# Altium PCB PCB.PcbDoc (part 3 of 3) (continued)
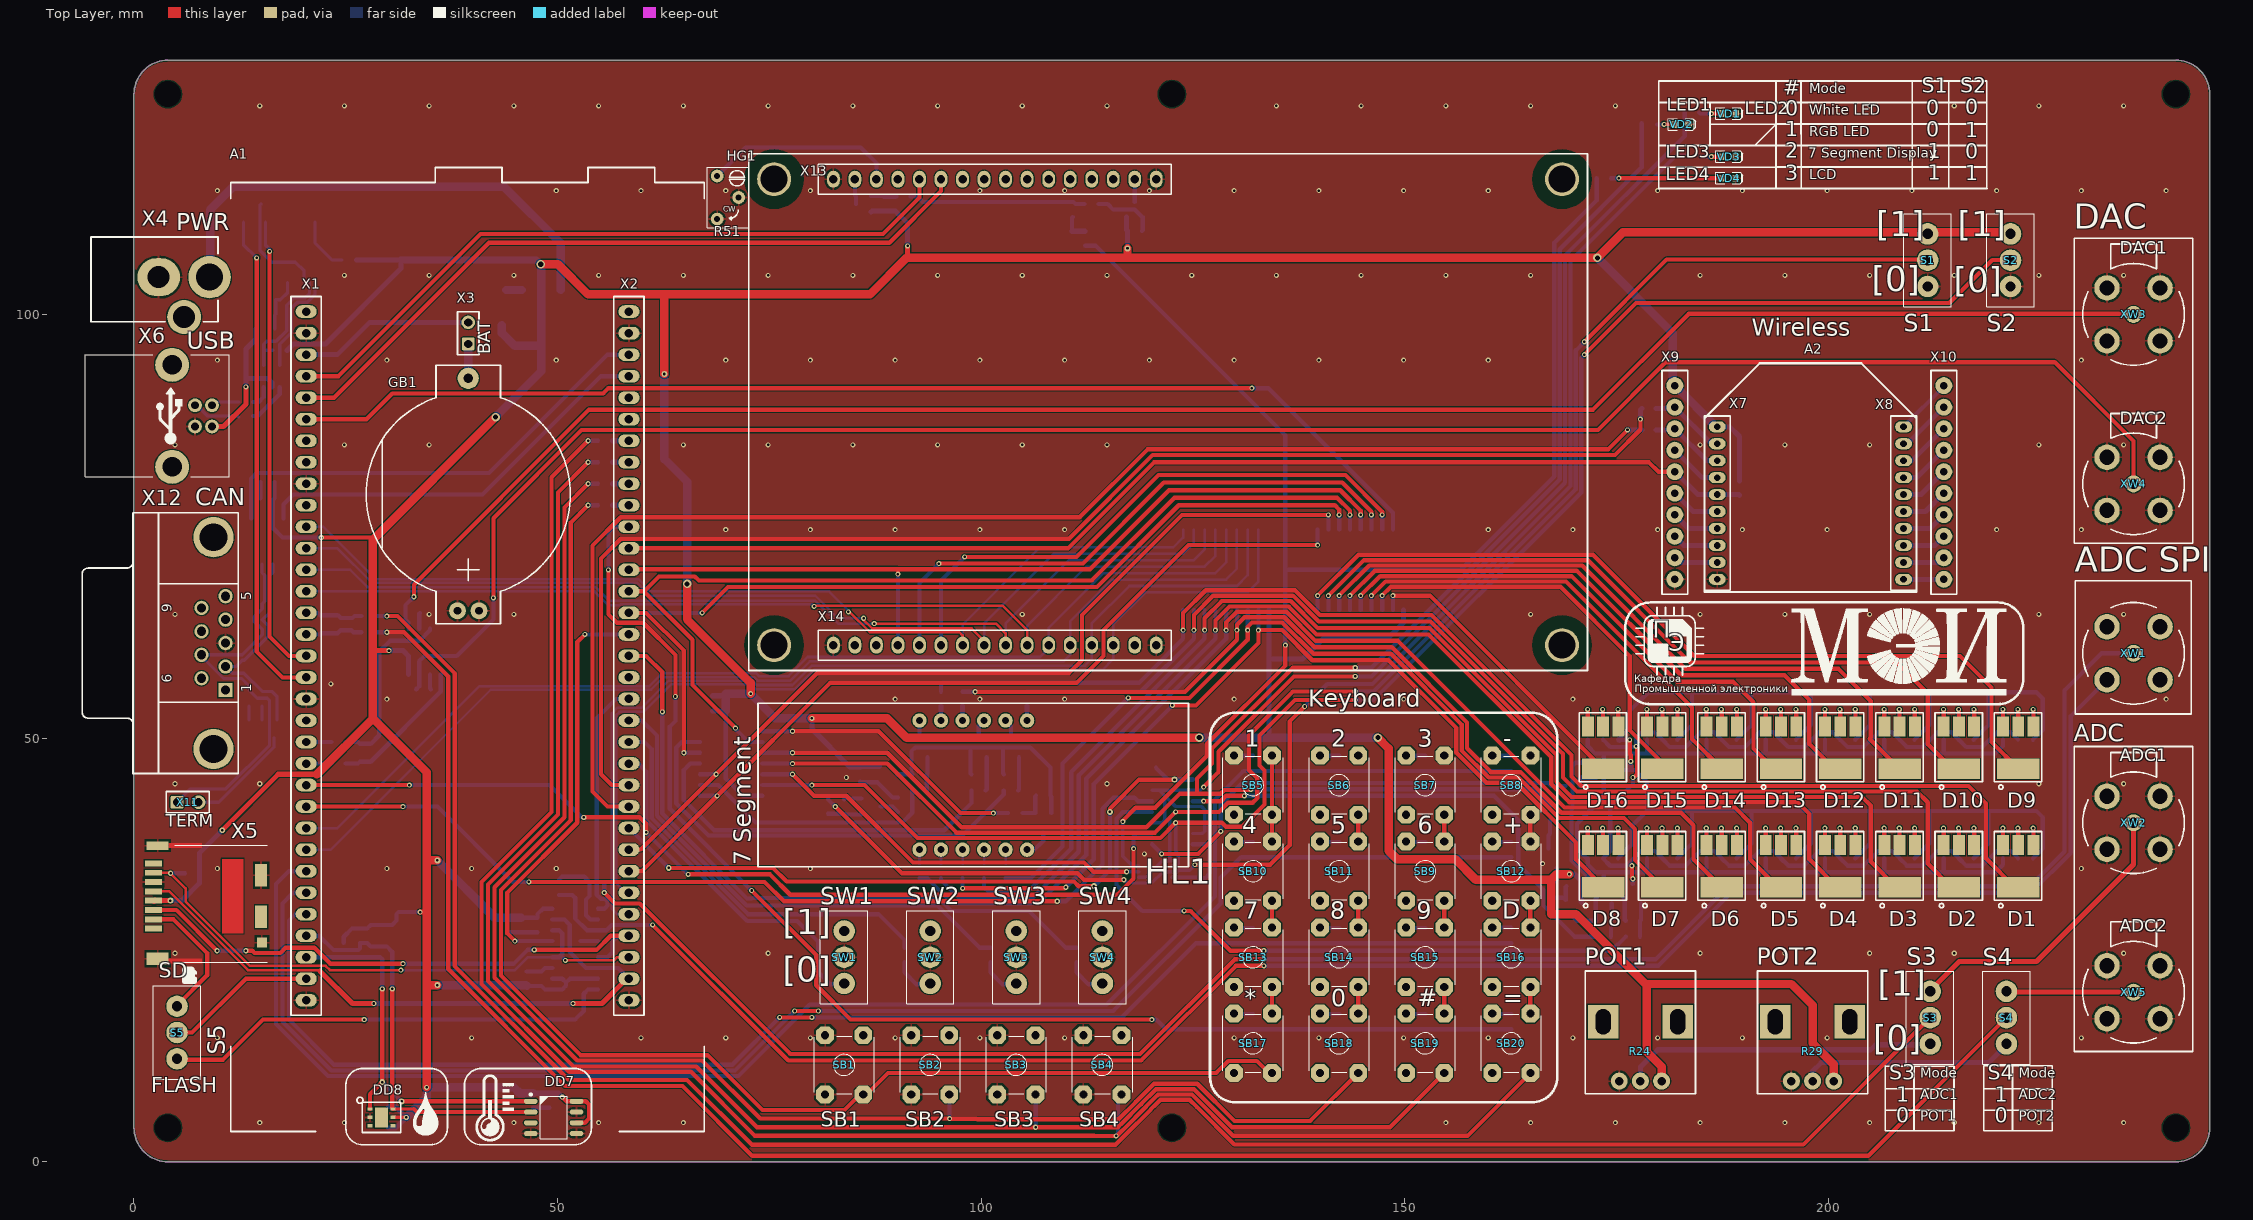
[diagram p0: Top Layer view]
## Nets (pads, with @x,y where several pads share a name; then routed paths per layer and width w, separated by ;. In a path a pad name is that pad's centre, name@x,y a point inside that pad or via, vN(x,y) a via of type N, cw(c..) or ccw(c..) an arc to the next point about the centre after c; other vN are vias at no path point) (continued)
  Bottom Layer w0.5: R118.2@173.37,49.799 R118.2@173.37,49.81 174.244,48.936 177.206,48.936 v1(177.292,49.022) 177.292,50.038 177.914,50.66 179.52,50.66 R117.2@180.37,49.81 ; v1(176.784,34.925) 176.53,35.179 176.403,35.179 ; VT11.3@176.905,32.763 v1(176.905,33.395) ; v1(176.911,45.339) 176.911,44.577 174.244,41.91 174.244,38.051 174.245,38.05 174.245,36.685 R94.2@173.37,35.81 173.37,35.799 174.244,34.925 176.149,34.925 176.403,35.179 ; R93.2@180.37,35.821 R93.2@180.37,35.81 ; R117.2@180.37,49.821 R117.2@180.37,49.81 ; R79.2@222.37,35.821 221.52,36.671 219.884,36.671 218.149,34.936 216.244,34.936 R80.2@215.37,35.81 215.37,35.821 214.52,36.671 212.884,36.671 211.149,34.936 209.244,34.936 R81.2@208.37,35.81 208.37,35.821 207.52,36.671 205.884,36.671 204.149,34.936 202.244,34.936 R82.2@201.37,35.81 201.37,35.821 200.52,36.671 198.884,36.671 197.149,34.936 195.244,34.936 R91.2@194.37,35.81 194.37,35.821 193.52,36.671 191.884,36.671 190.149,34.936 188.244,34.936 R92.2@187.37,35.81 187.37,35.821 186.52,36.671 184.884,36.671 183.149,34.936 181.244,34.936 R93.2@180.37,35.81 ; R103.2@222.37,49.821 221.52,50.671 219.884,50.671 218.149,48.936 216.244,48.936 R104.2@215.37,49.81 215.37,49.821 214.52,50.671 212.884,50.671 211.149,48.936 209.244,48.936 R105.2@208.37,49.81 208.37,49.821 207.52,50.671 205.884,50.671 204.149,48.936 202.244,48.936 R106.2@201.37,49.81 201.37,49.821 200.52,50.671 198.884,50.671 197.149,48.936 195.244,48.936 R115.2@194.37,49.81 194.37,49.821 193.52,50.671 191.884,50.671 190.149,48.936 188.244,48.936 R116.2@187.37,49.81 187.37,49.821 186.52,50.671 184.884,50.671 183.149,48.936 181.244,48.936 R117.2@180.37,49.81 ; 176.403,35.179 177.884,36.66 179.52,36.66 R93.2@180.37,35.81
NetR83_2: R83.2 R84.2 R85.2 R86.2 R95.2 R96.2 R97.2 R98.2 R107.2 R108.2 R109.2 R110.2 R119.2 R120.2 R121.2 R122.2 VT12.3 | length 137.7
  Bottom Layer w0.5: R122.2@171.592,49.81 171.592,49.037 172.456,48.173 178.552,48.173 178.562,48.163 ; VT12.3@173.476,32.763 173.476,34.157 ; 173.482,48.163 173.482,43.053 170.307,39.878 170.307,36.957 171.454,35.81 R98.2@171.592,35.81 171.592,35.037 172.466,34.163 175.768,34.163 ; 175.762,34.157 175.768,34.163 ; R97.2@178.592,35.81 178.592,34.193 178.562,34.163 ; R121.2@178.592,49.81 178.592,48.193 178.562,48.163 ; 185.592,34.193 R96.2@185.592,35.81 ; 185.592,48.193 R120.2@185.592,49.81 ; 192.592,34.193 R95.2@192.592,35.81 ; 192.592,48.193 R119.2@192.592,49.81 ; 199.592,34.193 R86.2@199.592,35.81 ; 199.592,48.193 R110.2@199.592,49.81 ; 206.592,34.193 R85.2@206.592,35.81 ; 206.592,48.193 R109.2@206.592,49.81 ; 213.592,34.193 R84.2@213.592,35.81 ; 213.592,48.193 R108.2@213.592,49.81 ; R83.2@220.592,35.81 220.592,35.045 219.71,34.163 178.562,34.163 ; R107.2@220.592,49.81 220.592,49.045 219.71,48.163 178.562,48.163 ; 175.768,34.163 178.562,34.163
NetS3_1: S3.1 XW2.Sig | length 35.1
  Top Layer w0.6: S3.1@212,20.2 215.422,23.622 224.536,23.622 236,35.086 XW2.Sig@236,40
NetS4_1: S4.1 XW5.Sig | length 15.1
  Top Layer w0.6: S4.1@221,20.2 221.2,20 XW5.Sig@236,20
NetSB5_2: SB5.2 VD6.K | length 2.3
  Bottom Layer w0.5: SB5.2@129.83,47.95 129.879,47.901 VD6.K@132.08,47.901
NetSB6_2: SB6.2 VD7.K | length 2.3
  Bottom Layer w0.5: SB6.2@139.99,47.95 140.039,47.901 VD7.K@142.24,47.901
NetSB7_2: SB7.2 VD8.K | length 2.3
  Bottom Layer w0.5: SB7.2@150.15,47.95 150.199,47.901 VD8.K@152.4,47.901
NetSB8_2: SB8.2 VD9.K | length 2.3
  Bottom Layer w0.5: SB8.2@160.31,47.95 160.359,47.901 VD9.K@162.56,47.901
NetSB9_2: SB9.2 VD12.K | length 2.3
  Bottom Layer w0.5: SB9.2@150.15,37.79 150.199,37.741 VD12.K@152.4,37.741
NetSB10_2: SB10.2 VD10.K | length 2.3
  Bottom Layer w0.5: SB10.2@129.83,37.79 129.879,37.741 VD10.K@132.08,37.741
NetSB11_2: SB11.2 VD11.K | length 2.3
  Bottom Layer w0.5: SB11.2@139.99,37.79 140.039,37.741 VD11.K@142.24,37.741
NetSB12_2: SB12.2 VD13.K | length 2.3
  Bottom Layer w0.5: SB12.2@160.31,37.79 160.359,37.741 VD13.K@162.56,37.741
NetSB13_2: SB13.2 VD14.K | length 2.3
  Bottom Layer w0.5: SB13.2@129.83,27.63 129.879,27.581 VD14.K@132.08,27.581
NetSB14_2: SB14.2 VD15.K | length 2.3
  Bottom Layer w0.5: SB14.2@139.99,27.63 140.039,27.581 VD15.K@142.24,27.581
NetSB15_2: SB15.2 VD16.K | length 2.3
  Bottom Layer w0.5: SB15.2@150.15,27.63 150.199,27.581 VD16.K@152.4,27.581
NetSB16_2: SB16.2 VD17.K | length 2.3
  Bottom Layer w0.5: SB16.2@160.31,27.63 162.511,27.63 VD17.K@162.56,27.581
NetSB17_2: SB17.2 VD18.K | length 2.3
  Bottom Layer w0.5: SB17.2@129.83,17.47 129.879,17.421 VD18.K@132.08,17.421
NetSB18_2: SB18.2 VD19.K | length 2.3
  Bottom Layer w0.5: SB18.2@139.99,17.47 140.039,17.421 VD19.K@142.24,17.421
NetSB19_2: SB19.2 VD20.K | length 2.3
  Bottom Layer w0.5: SB19.2@150.15,17.47 150.199,17.421 VD20.K@152.4,17.421
NetSB20_2: SB20.2 VD21.K | length 2.3
  Bottom Layer w0.5: SB20.2@160.31,17.47 160.359,17.421 VD21.K@162.56,17.421
P\W\R\E\N\: DD9.14 R23.1 | length 6.4
  Bottom Layer w0.4: DD9.14@21.37,110.865 21.37,108.424 23.368,106.426 R23.1@24.55,106.426
PC15: A1.P1_6 DD14.8 | length 137.9
  Top Layer w0.5: A1.P1_6@20.32,87.63 27.432,87.63 30.48,90.678 55.372,90.678 55.989,91.295 v1(131.953,91.295)
  Bottom Layer w0.5: v1(131.953,91.295) 133.876,91.295 148.59,76.581 DD14.8@148.59,74.6
R0: A1.P1_27 VD6.A VD7.A VD8.A VD9.A | length 190.6
  Bottom Layer w0.5: A1.P1_27@20.32,34.29 18.288,34.29 16.764,32.766 16.764,16.256 22.897,10.123 71.337,10.123 79.756,18.542 114.808,18.542 127.58,31.314 127.58,42.744 130.937,46.101 VD6.A@132.08,46.101 VD7.A@142.24,46.101 VD8.A@152.4,46.101 VD9.A@162.56,46.101
R1: A1.P1_28 VD10.A VD11.A VD12.A VD13.A | length 176.9
  Top Layer w0.5: v1(77.978,17.78) v1(80.772,17.78)
  Bottom Layer w0.5: A1.P1_28@20.32,31.75 18.796,31.75 17.526,30.48 17.526,16.51 23.288,10.748 70.946,10.748 v1(77.978,17.78) ; v1(80.772,17.78) 115.57,17.78 128.27,30.48 128.27,33.528 130.683,35.941 VD10.A@132.08,35.941 VD11.A@142.24,35.941 VD12.A@152.4,35.941 VD13.A@162.56,35.941
R2: A1.P1_29 VD14.A VD15.A VD16.A VD17.A | length 166.5
  Top Layer w0.5: v1(76.2,17.018) v1(80.01,17.018)
  Bottom Layer w0.5: A1.P1_29@20.32,29.21 19.05,29.21 18.288,28.448 18.288,16.764 23.622,11.43 70.612,11.43 v1(76.2,17.018) ; v1(80.01,17.018) 116.586,17.018 125.349,25.781 VD14.A@132.08,25.781 VD15.A@142.24,25.781 VD16.A@152.4,25.781 VD17.A@162.56,25.781
R3: A1.P2_11 VD18.A VD19.A VD20.A VD21.A | length 152.9
  Top Layer w0.5: v1(56,69.85) 56,64.6 57,63.6 60.1,63.6 63.9,59.8 v1(63.9,54.9) ; v1(72.898,32.004) 80.518,24.384 80.518,20.828 84.582,16.764 v1(120.142,16.764)
  Bottom Layer w0.5: v1(56,69.85) 56,74.288 56.642,74.93 A1.P2_11@58.42,74.93 ; v1(63.9,54.9) 63.9,52 63.246,51.346 63.246,41.654 72.896,32.004 v1(72.898,32.004) ; v1(120.142,16.764) 120.65,16.764 121.793,15.621 VD18.A@132.08,15.621 VD19.A@142.24,15.621 VD20.A@152.4,15.621 VD21.A@162.56,15.621
R/~W: A1.P1_4 DD14.6 HG1.5 | length 152.4
  Top Layer w0.5: A1.P1_4@20.32,92.71 24.13,92.71 40.894,109.474 88.392,109.474 92.71,113.792 HG1.5@92.71,115.96 ; v1(94.996,70.592) 111.994,70.592 121.548,80.146 142.612,80.146 146.05,76.708 v1(146.05,76.327)
  Bottom Layer w0.5: HG1.5@92.71,60.96 92.71,68.306 v1(94.996,70.592) ; DD14.6@146.05,74.6 v1(146.05,76.327)
r_w: DD1.1 R68.1 | length 54.8
  Top Layer w0.5: v1(121.298,36.322) 125.603,36.322 v1(128.27,38.989)
  Bottom Layer w0.5: DD1.1@120.155,37.465 v1(121.298,36.322) ; v1(128.27,38.989) 128.27,42.164 130.81,44.704 166.878,44.704 167.259,44.323 R68.1@168.949,44.323
RED: A1.P1_23 DD1.2 R5.2 | length 111.7
  Top Layer w0.5: A1.P1_23@20.32,44.45 v1(32.512,44.45) ; v1(53.086,40.64) 59.69,40.64 60.452,39.878 v1(60.452,38.862) ; v1(65.405,33.909) 75.057,33.909 77.46,31.506 116.088,31.506 117.983,33.401 v1(117.983,36.957)
  Bottom Layer w0.5: v1(32.512,44.45) 49.058,44.45 52.868,40.64 v1(53.086,40.64) ; v1(60.452,38.862) v1(65.405,33.909) ; v1(117.983,36.957) R5.2@117.983,38.393 118.325,38.735 DD1.2@120.155,38.735
S1: DD1.11 DD2.11 DD3.1 DD3.5 S1.2 | length 197.2
  Top Layer w0.5: v1(77.724,46.99) 88.9,46.99 97.058,38.832 120.493,38.832 v1(122.936,41.275) 128.05,41.275 129.15,42.375 132.037,42.375 132.588,42.926 132.588,45.212 131.572,46.228 131.572,50.292 136.779,55.499 v1(144.145,55.499) ; v1(171.196,96.774) 180.899,106.477 211.633,106.477 S1.2@211.709,106.401
  Bottom Layer w0.4: DD3.1@118.573,33.569 119.421,33.569 121.371,35.519 DD3.5@122.473,35.519 122.261,35.731 122.261,40.6 v1(122.936,41.275) DD1.11@124.955,41.275
  Bottom Layer w0.5: DD2.11@74.155,46.99 v1(77.724,46.99) ; v1(144.145,55.499) 146.304,55.499 170.18,79.375 170.18,95.758 v1(171.196,96.774)
S2: DD1.12 DD2.13 DD3.6 S2.2 | length 201.4
  Top Layer w0.5: v1(80.01,44.45) 86.233,44.45 92.476,38.207 121.138,38.207 v1(122.936,40.005) 128.397,40.005 128.877,39.525 130.8,39.525 133.43,42.155 133.43,46.166 132.842,46.754 132.842,50.292 137.033,54.483 v1(144.145,54.483) ; v1(171.196,95.25) 177.292,101.346 214.249,101.346 219.329,106.426 221.463,106.426 S2.2@221.488,106.401
  Bottom Layer w0.4: DD3.6@122.473,34.869 123.007,34.869 123.273,35.135 123.273,36.366 122.936,36.703 v1(122.936,40.005)
  Bottom Layer w0.5: DD2.13@74.155,44.45 v1(80.01,44.45) ; v1(122.936,40.005) DD1.12@124.955,40.005 ; v1(144.145,54.483) 146.304,54.483 170.815,78.994 170.815,94.869 v1(171.196,95.25)
SevSeg: DD3.7 R3.1 R40.1 | length 164.9
  Top Layer w0.5: v1(82.765,41.91) 90.639,34.036 111.379,34.036 112.141,33.274 v1(116.84,33.274) ; v1(125.222,35.052) 134.112,35.052 136.398,37.338 136.398,51.943 v1(138.176,53.721)
  Bottom Layer w0.4: v1(116.84,33.274) 117.221,32.893 120.142,32.893 121.468,34.219 DD3.7@122.473,34.219 123.119,34.219 123.317,34.417 124.587,34.417 v1(125.222,35.052)
  Bottom Layer w0.5: R40.1@81.954,42.76 81.915,42.76 v1(82.765,41.91) ; v1(138.176,53.721) 140.843,56.388 146.177,56.388 169.545,79.756 169.545,106.299 181.991,118.745 R3.1@183.038,118.745
SPI_ADC: A1.P2_16 DA2.5 | length 50
  Top Layer w0.5: v1(44.958,26.035) 44.069,26.924 44.069,31.75 52.324,40.005 52.324,61.341 v1(53.213,62.23)
  Bottom Layer w0.5: v1(44.958,26.035) DA2.5@49.37,26.035 ; v1(53.213,62.23) A1.P2_16@58.42,62.23
SPI_FLSH: A1.P1_32 S5.2 | length 17.9
  Top Layer w0.5: S5.2@5.08,15.24 6.858,15.24 13.208,21.59 A1.P1_32@20.32,21.59
SPI_MISO: A1.P2_31 DA2.6 DD5.8 R10.2 X5.7 | length 68.6
  Top Layer w0.3: X5.7@2.3,34.1 4.254,34.1 v1(4.318,34.036) 6.096,32.258 6.096,30.705 13.696,23.105 22.615,23.105 23.114,22.606 v1(31.496,22.606) ; v1(50.927,23.749) 56.642,23.749 57.023,24.13 A1.P2_31@58.42,24.13
  Bottom Layer w0.3: v1(31.496,22.606) 44.958,22.606 46.482,24.13 DD5.8@49.37,24.13
  Bottom Layer w0.5: v1(4.318,34.036) R10.2@6.008,34.036 ; DD5.8@49.37,24.13 50.165,24.13 50.355,24.32 ; DA2.6@49.37,27.305 50.165,27.305 50.546,26.924 50.546,24.511 50.355,24.32 ; v1(50.927,23.749) 50.355,24.32
SPI_MOSI: A1.P2_30 DD5.1 X5.3 | length 66.1
  Top Layer w0.5: X5.3@2.3,29.7 5,29.7 v1(9.808,24.892) ; v1(13.208,24.892) 13.97,24.892 14.224,24.638 17.272,24.638 17.889,25.255 21.286,25.255 21.945,24.596 21.945,24.591 23.168,23.368 v1(31.75,23.368) ; v1(47.244,25) 54.6,25 56.27,26.67 A1.P2_30@58.42,26.67
  Bottom Layer w0.5: v1(9.808,24.892) v1(13.208,24.892) ; v1(31.75,23.368) 44.831,23.368 46.463,25 v1(47.244,25) ; DD5.1@54.77,24.13 55.88,24.13 56.515,24.765 56.515,26.035 57.15,26.67 A1.P2_30@58.42,26.67
SPI_SCK: A1.P2_32 DA2.7 DD5.2 X5.5 | length 76.4
  Top Layer w0.3: X5.5@2.3,31.9 4.168,31.9 13.453,22.615 21.835,22.615 ; A1.P2_32@58.166,21.59 A1.P2_32@58.42,21.59
  Top Layer w0.6: 21.966,22.484 25.781,18.669 v1(28.321,18.669) ; v1(51.816,18.669) 55.245,18.669 A1.P2_32@58.166,21.59
  Bottom Layer w0.5: DA2.7@49.37,28.575 50.8,28.575 51.435,27.94 51.435,24.765 53.34,22.86 DD5.2@54.77,22.86 57.15,22.86 A1.P2_32@58.42,21.59
  Bottom Layer w0.6: v1(28.321,18.669) v1(51.816,18.669)
SW1: A1.P2_22 R8.1 | length 35.4
  Bottom Layer w0.5: A1.P2_22@58.42,46.99 59.51,46.99 60.45,46.05 60.45,40.338 72.39,28.398 78.282,28.398 80.772,25.908 R8.1@80.772,24.98
SW2: A1.P2_21 R9.1 | length 47.9
  Bottom Layer w0.5: A1.P2_21@58.42,49.53 60.27,49.53 61.097,48.703 61.097,40.575 72.462,29.21 87.884,29.21 90.932,26.162 R9.1@90.932,25.234
SW3: A1.P2_20 R11.1 | length 59.3
  Bottom Layer w0.5: A1.P2_20@58.42,52.07 59.93,52.07 61.722,50.278 61.722,40.834 72.33,30.226 94.844,30.226 99.836,25.234 R11.1@101.092,25.234
SW4: A1.P2_17 R13.1 | length 76.8
  Top Layer w0.5: A1.P2_17@58.42,59.69 60.452,59.69 62.357,57.785 v1(62.357,53.086)
  Bottom Layer w0.5: v1@62.347,52.959 62.347,41.092 72.364,31.075 72.924,31.075 72.964,31.115 94.971,31.115 96.495,29.591 105.639,29.591 109.996,25.234 R13.1@111.252,25.234
USART2_RX: A1.P1_18 DD9.1 | length 58.4
  Top Layer w0.5: v1(14.478,106.68) 14.478,60.198 17.526,57.15 A1.P1_18@20.32,57.15
  Bottom Layer w0.4: DD9.1@12.92,110.865 12.92,108.238 v1(14.478,106.68)
USART2_TX: A1.P1_17 DD9.5 | length 54.4
  Top Layer w0.5: v1(16.002,107.442) 16.002,61.976 18.288,59.69 A1.P1_17@20.32,59.69
  Bottom Layer w0.4: DD9.5@15.52,110.865 15.52,108.178 16.002,107.696 v1(16.002,107.442)
V_LED: R65.2 R66.2 R67.2 VT10.2 VT11.2 VT12.2 VT13.3 | length 31.6
  Bottom Layer w0.5: VT13.3@169.926,28.833 170.321,28.438 R67.2@172.626,28.438 172.526,28.538 VT12.2@172.526,30.728 172.526,31.048 172.974,31.496 ; VT10.2@172.597,47.178 170.915,47.178 R65.2@170.815,47.078 170.141,47.078 169.774,46.711 169.774,41.758 169.672,41.656 169.672,35.56 172.212,33.02 172.212,32.258 172.847,31.623 175.387,31.623 175.955,31.055 VT11.2@175.955,30.728 175.955,28.538 R66.2@176.055,28.438
WhiteLED: DD1.3 DD1.6 DD1.9 DD1.13 R1.1 | length 129.6
  Top Layer w0.5: v1(126.238,44.196) 128.016,45.974 128.016,48.387 136.906,57.277 v1(144.145,57.277)
  Bottom Layer w0.4: DD1.3@120.155,40.005 121.285,40.005 121.636,40.356 121.636,43.21 ; DD1.6@120.155,43.815 DD1.6@121.031,43.815 ; DD1.13@124.955,38.735 126.111,38.735 126.38,39.004 126.38,41.534 125.994,41.92 122.926,41.92 121.636,43.21 ; v1(126.238,44.196) 125.857,43.815 DD1.9@124.955,43.815 DD1.6@121.031,43.815 ; DD1.6@121.031,43.815 121.636,43.21
  Bottom Layer w0.5: v1(144.145,57.277) 146.05,57.277 168.91,80.137 168.91,106.934 183.038,121.062 R1.1@183.038,123.825
XBEE_RX: A1.P2_23 R32.1 | length 160.8
  Top Layer w0.5: A1.P2_23@58.42,44.45 56.388,44.45 55.118,45.72 55.118,71.179 57.454,73.515 110.345,73.515 120.229,83.399 174.799,83.399 177.78,86.38 ; 177.8,86.38 v1(177.8,87.63)
  Bottom Layer w0.6: v1(177.8,87.63) 177.8,88.734 R32.1@177.966,88.9
XBEE_TX: A1.P2_24 R33.1 | length 163.6
  Top Layer w0.5: A1.P2_24@58.42,41.91 55.88,41.91 54.102,43.688 54.102,72.703 57.454,76.055 111.615,76.055 119.634,84.074 173.99,84.074 v1(176.276,86.36)
  Bottom Layer w0.6: v1(176.276,86.36) R33.1@177.966,86.36
XBRST: A1.P2_12 A2.5 R34.1 X9.5 | length 136.9
  Top Layer w0.5: A1.P2_12@58.42,72.39 110.236,72.39 120.386,82.54 178.826,82.54 179.934,81.432 X9.5@181.866,81.432
  Bottom Layer w0.6: X9.5@181.866,81.432 184.566,78.732 A2.5@186.866,78.732 189.404,78.732 R34.1@189.484,78.652
~S1: DD2.10 R2.1 R73.1 | length 205.6
  Top Layer w0.5: v1(77.724,48.26) 88.9,48.26 97.703,39.457 119.467,39.457 123.444,43.434 125.476,43.434 ; v1(131.826,43.942) 131.739,43.855 128.696,43.855 128.275,43.434 125.476,43.434 ; v1(144.145,58.293) 136.779,58.293 127.244,48.758 127.244,46.98 125.476,45.212 125.476,43.434
  Bottom Layer w0.5: DD2.10@74.155,48.26 v1(77.724,48.26) ; v1(131.826,43.942) 165.188,43.942 R73.1@167.132,41.998 ; v1(144.145,58.293) 146.05,58.293 168.275,80.518 168.275,107.696 177.958,117.379 R2.1@177.958,122.555
~S2: DD2.12 DD3.2 | length 49.2
  Top Layer w0.5: v1(77.724,45.72) 80.264,43.18 84.074,43.18 91.948,35.306 112.141,35.306 113.228,34.219 v1(117.15,34.219)
  Bottom Layer w0.4: v1(117.15,34.219) DD3.2@118.573,34.219
  Bottom Layer w0.5: DD2.12@74.155,45.72 v1(77.724,45.72)
pads on no net: A1.P1_1 A1.P1_7 A1.P1_8 A1.P1_10 A1.P1_20 A1.P2_1 A1.P2_5 A1.P2_6 A1.P2_18 C1.0 C2.0 C3.0 C4.0 C5.0 C6.0 C7.0 C8.0 C9.0 C10.0 C11.0 C12.0 C13.0 C14.0 C15.0 C16.0 C17.0 C18.0 C19.0 C20.0 C21.0 C22.0 C23.0 C24.0 C25.0 C26.0 C27.0 C28.0 C29.0 C30.0 C31.0 C32.0 C33.0 C34.0 C35.0 DA1.0 DA2.0 DD1.0 DD2.0 DD3.0 DD5.0 DD6.0 DD7.0 DD7.3 DD8. DD8.3 DD8.4 DD9.2 DD9.3 DD9.6 DD9.8 DD9.9 DD9.10 DD9.11 DD9.12 DD9.13 DD9.19 DD9.22 DD9.23 DD9.24 DD9.27 DD9.28 DD10.0 DD11.0 DD12.0 DD12.5 DD12.8 HG1.PADM L1.0 R1.0 R2.0 R3.0 R4.0 R5.0 R6.0 R7.0 R8.0 R9.0 R10.0 R11.0 R12.0 R13.0 R14.0 R15.0 R16.0 R17.0 R18.0 R19.0 R20.0 R21.0 R22.0 R23.0 R24.NC R25.0 R26.0 R27.0 R28.0 R29.NC R30.0 R31.0 R32.0 R33.0 R34.0 R35.0 R36.0 R37.0 R38.0 R39.0 R40.0 R41.0 R42.0 R43.0 R44.0 R45.0 R46.0 R47.0 R48.0 R49.0 R50.0 R52.0 R53.0 R54.0 R55.0 R56.0 R57.0 R58.0 R59.0 R60.0 R61.0 R62.0 R63.0 R64.0 R65.0 R66.0 R67.0 R68.0 R69.0 R70.0 R71.0 R72.0 R73.0 R74.0 R75.0 R76.0 R77.0 R78.0 R79.0 R80.0 R81.0 R82.0 R83.0 R84.0 R85.0 R86.0 R87.0 R88.0 R89.0 R90.0 R91.0 R92.0 R93.0 R94.0 R95.0 R96.0 R97.0 R98.0 R99.0 R100.0 R101.0 R102.0 R103.0 R104.0 R105.0 R106.0 R107.0 R108.0 R109.0 R110.0 R111.0 R112.0 R113.0 R114.0 R115.0 R116.0 R117.0 R118.0 R119.0 R120.0 R121.0 R122.0 SB1.0 SB2.0 SB3.0 SB4.0 SB5.0 SB6.0 SB7.0 SB8.0 SB9.0 SB10.0 SB11.0 SB12.0 SB13.0 SB14.0 SB15.0 SB16.0 SB17.0 SB18.0 SB19.0 SB20.0 SW1.3 SW2.3 SW3.3 SW4.3 VD1.0 VD2.0 VD3.0 VD4.0 VD5.0 VD6.0 VD7.0 VD8.0 VD9.0 VD10.0 VD11.0 VD12.0 VD13.0 VD14.0 VD15.0 VD16.0 VD17.0 VD18.0 VD19.0 VD20.0 VD21.0 VD22.0 VD23.0 VD24.0 X4.3 X5.1 X5.8 X5.12 X6.MH X12.1 X12.4 X12.5 X12.6 X12.8 X12.9 X12.10 X12.11

## Polygon pours and split planes (outlines as drawn)
GND on Bottom Layer "BOT_GND" (solid, remove dead copper, pour order 13): 0,4 0,126 cw(c4,126) 4,130 241,130 cw(c241,126) 245,126 245,4 cw(c241,4) 241,0 4,0 cw(c4,4)
GND on Top Layer "Top Layer_GND" (solid, remove dead copper, pour order 12): 0,4 0,126 cw(c4,126) 4,130 241,130 cw(c241,126) 245,126 245,4 cw(c241,4) 241,0 4,0 cw(c4,4)
no net on Top Overlay (solid): 179.28,63.995 cw(c178.982,64.518) 179.055,63.92 cw(c178.707,64.363) 178.858,63.82 178.83,63.82 178.83,63.195 178.78,63.145 178.78,59.32 178.955,59.145 cw(c178.709,58.774) 179.079,59.021 cw(c179.167,58.584) 179.254,59.021 179.33,58.945 183.242,58.945 183.242,59.645 181.913,59.6 181.111,59.645 181.111,60.602 181.111,61.1 180.987,61.1 180.613,61.1 179.254,61.1 179.254,63.745 181.055,63.745 181.055,61.6 181.155,61.6 181.155,61.995 183.242,61.995 183.242,58.945 183.48,58.945 cw(c183.723,58.915) 183.554,59.092 cw(c183.981,58.919) 183.655,59.245 cw(c184.042,59.26) 183.679,59.394 183.78,59.495 183.78,62.995 183.755,62.995 182.88,63.87 182.88,63.895 182.78,63.995
no net on Top Overlay "NONET_L-01_P-001" (solid): 5.7,22.8 5.7,21.2 ccw(c5.9,21.2) 5.9,21 7.2,21 ccw(c7.2,21.2) 7.4,21.2 7.4,21.7 7.2,21.9 7.2,22.1 7.4,22.1 7.4,22.4 7.1,22.7 7.1,22.8 ccw(c6.9,22.8) 6.9,23 5.9,23 ccw(c5.9,22.8)

## Keep-outs
Keep-Out Layer:
  the board outline again, w0.1

## Silkscreen, mask and mechanical layers (free items; w line width, h text height)
Top Overlay:
  drawing of 4361 lines, arcs and shapes, not listed
  text "Mode" at 197.729,125.701 h2
  text "S1" at 210.975,125.575 h3
  text "S2" at 215.52,125.553 h3
  text "#" at 194.686,125.314 h3
  text "LED1" at 180.9,123.5 h2.5
  text "White LED" at 197.729,123.161 h2
  text "LED2" at 190.1,123.1 h2.5
  text "0" at 216.157,123.013 h3
  text "0" at 211.533,122.907 h3
  text "0" at 194.869,122.871 h3
  text "RGB LED" at 197.729,120.621 h2
  text "1" at 194.869,120.458 h3
  text "0" at 211.533,120.367 h3
  text "1" at 216.155,120.346 h3
  text "7 Segment Display" at 197.602,118.081 h2
  text "LED3" at 180.786,117.948 h2.5
  text "2" at 194.869,117.918 h3
  text "1" at 211.742,117.827 h3
  text "0" at 216.157,117.806 h3
  text "LCD" at 197.729,115.541 h2
  text "LED4" at 180.786,115.282 h2.5
  text "1" at 211.742,115.287 h3
  text "1" at 216.155,115.266 h3
  text "3" at 194.869,115.251 h3
  text "PWR" at 5,109.25 h3.5
  text "DAC" at 228.917,109.093 h5
  text "[1]" at 205.613,108.204 h5
  text "[1]" at 215.265,108.204 h5
  text "DAC1" at 234.398,106.6 h2.5
  text "[0]" at 205.105,101.727 h5
  text "[0]" at 214.757,101.6 h5
  text "S1" at 208.905,97.307 h3.5
  text "S2" at 218.705,97.307 h3.5
  text "Wireless" at 190.95,96.75 h3.5
  text "BAT" at 42.593,95.282 h2.5 r90
  text "USB" at 6.25,95.25 h3.5
  text "DAC2" at 234.398,86.5 h2.5
  text "CAN" at 7.25,76.75 h3.5
  text "ADC SPI" at 229.044,68.608 h5
  text "П" at 179.238,61.1 h3.5
  text "Э" at 181.113,59.6 h3.5
  text "Кафедра" at 177.087,56.275 h1.5
  text "Промышленной электроники" at 177.111,55.102 h1.5
  text "Keyboard" at 138.58,53 h3.5
  text "ADC" at 228.926,48.897 h3.5
  text "1" at 131.1,48.246 h3.5
  text "2" at 141.3,48.246 h3.5
  text "3" at 151.5,48.246 h3.5
  text "-" at 161.6,48.246 h3.5
  text "ADC1" at 234.4,46.7 h2.5
  text "TERM" at 3.75,39 h2.5
  text "4" at 130.816,38.046 h3.5
  text "5" at 141.3,38.046 h3.5
  text "6" at 151.5,38.046 h3.5
  text "+" at 161.6,38.046 h3.5
  text "7 Segment" at 73.5,35 h3.5 r90
  text "SW1" at 81.015,29.664 h3.5
  text "SW2" at 91.215,29.664 h3.5
  text "SW3" at 101.415,29.664 h3.5
  text "SW4" at 111.515,29.664 h3.5
  text "7" at 131,27.946 h3.5
  text "8" at 141.2,27.946 h3.5
  text "9" at 151.4,27.946 h3.5
  text "D" at 161.5,27.946 h3.5
  text "ADC2" at 234.4,26.6 h2.5
  text "[1]" at 76.569,25.818 h5
  text "POT1" at 171.232,22.507 h3.5
  text "POT2" at 191.552,22.507 h3.5
  text "S3" at 209.205,22.507 h3.5
  text "S4" at 218.2,22.5 h3.5
  text "SD" at 2.9,21.1 h3
  text "[0]" at 76.569,20.23 h5
  text "[1]" at 205.813,18.604 h5
  text "*" at 131.1,17.646 h3.5
  text "0" at 141.3,17.646 h3.5
  text "#" at 151.5,17.646 h3.5
  text "=" at 161.6,17.646 h3.5
  text "S5" at 11.45,12.624 h3.5 r90
  text "[0]" at 205.305,12.127 h5
  text "Mode" at 222.468,9.489 h2
  text "Mode" at 210.85,9.481 h2
  text "S3" at 207.188,9.096 h3
  text "S4" at 218.806,9.104 h3
  text "FLASH" at 2.032,7.62 h3
  text "ADC2" at 222.468,6.949 h2
  text "ADC1" at 210.85,6.941 h2
  text "1" at 207.988,6.496 h3
  text "1" at 219.606,6.504 h3
  text "POT2" at 222.468,4.409 h2
  text "POT1" at 210.85,4.401 h2
  text "0" at 219.606,4.004 h3
  text "0" at 207.988,3.996 h3
  text "SB1" at 81.058,3.546 h3
  text "SB2" at 91.058,3.546 h3
  text "SB3" at 101.558,3.546 h3
  text "SB4" at 111.558,3.546 h3
Board-M3:
  the board outline again, w0.2
Drill Drawing:
  drawing of 176 lines, arcs and shapes, not listed
  text "Символ" at 80.753,199.072 h1.83
  text "Количество" at 86.252,199.072 h1.83
  text "Диам отв. мм." at 94.538,199.072 h1.83
  text "Металлизация" at 104.459,199.072 h1.83
  text "Форма площадки" at 114.523,199.072 h1.83
  text "375" at 86.252,196.473 h1.52
  text "0.300mm" at 94.538,196.473 h1.52
  text "PTH" at 104.459,196.473 h1.52
  text "Rounded" at 114.523,196.473 h1.52
  text "6" at 86.252,193.874 h1.52
  text "0.600mm" at 94.538,193.874 h1.52
  text "PTH" at 104.459,193.874 h1.52
  text "Rounded" at 114.523,193.874 h1.52
  text "3" at 86.252,191.275 h1.52
  text "0.700mm" at 94.538,191.275 h1.52
  text "PTH" at 104.459,191.275 h1.52
  text "Rounded" at 114.523,191.275 h1.52
  text "32" at 86.252,188.676 h1.52
  text "0.800mm" at 94.538,188.676 h1.52
  text "PTH" at 104.459,188.676 h1.52
  text "Rounded" at 114.523,188.676 h1.52
  text "22" at 86.252,186.077 h1.52
  text "0.900mm" at 94.538,186.077 h1.52
  text "PTH" at 104.459,186.077 h1.52
  text "Rounded" at 114.523,186.077 h1.52
  text "4" at 86.252,183.478 h1.52
  text "0.914mm" at 94.538,183.478 h1.52
  text "PTH" at 104.459,183.478 h1.52
  text "Rounded" at 114.523,183.478 h1.52
  text "84" at 86.252,180.878 h1.52
  text "0.965mm" at 94.538,180.878 h1.52
  text "PTH" at 104.459,180.878 h1.52
  text "(Mixed)" at 114.523,180.878 h1.52
  text "104" at 86.252,178.279 h1.52
  text "1.000mm" at 94.538,178.279 h1.52
  text "PTH" at 104.459,178.279 h1.52
  text "Rounded" at 114.523,178.279 h1.52
  text "9" at 86.252,175.68 h1.52
  text "1.090mm" at 94.538,175.68 h1.52
  text "PTH" at 104.459,175.68 h1.52
  text "(Mixed)" at 114.523,175.68 h1.52
  text "1" at 86.252,173.081 h1.52
  text "1.100mm" at 94.538,173.081 h1.52
  text "PTH" at 104.459,173.081 h1.52
  text "Rounded" at 114.523,173.081 h1.52
  text "5" at 86.252,170.482 h1.52
  text "1.200mm" at 94.538,170.482 h1.52
  text "PTH" at 104.459,170.482 h1.52
  text "Rounded" at 114.523,170.482 h1.52
  text "27" at 86.252,167.883 h1.52
  text "1.219mm" at 94.538,167.883 h1.52
  text "PTH" at 104.459,167.883 h1.52
  text "Rounded" at 114.523,167.883 h1.52
  text "20" at 86.252,165.284 h1.52
  text "1.800mm" at 94.538,165.284 h1.52
  text "PTH" at 104.459,165.284 h1.52
  text "Rounded" at 114.523,165.284 h1.52
  text "4" at 86.252,162.685 h1.52
  text "1.800mm" at 94.538,162.685 h1.52
  text "PTH" at 104.459,162.685 h1.52
  text "Rectangle" at 114.523,162.685 h1.52
  text "2" at 86.252,160.085 h1.52
  text "2.300mm" at 94.538,160.085 h1.52
  text "PTH" at 104.459,160.085 h1.52
  text "Rounded" at 114.523,160.085 h1.52
  text "2" at 86.252,157.486 h1.52
  text "2.600mm" at 94.538,157.486 h1.52
  text "PTH" at 104.459,157.486 h1.52
  text "Rounded" at 114.523,157.486 h1.52
  text "6" at 86.252,154.887 h1.52
  text "3.100mm" at 94.538,154.887 h1.52
  text "PTH" at 104.459,154.887 h1.52
  text "Rounded" at 114.523,154.887 h1.52
  text "5" at 86.252,152.288 h1.52
  text "3.200mm" at 94.538,152.288 h1.52
  text "PTH" at 104.459,152.288 h1.52
  text "Rounded" at 114.523,152.288 h1.52
  text "2" at 86.252,149.689 h1.52
  text "3.260mm" at 94.538,149.689 h1.52
  text "PTH" at 104.459,149.689 h1.52
  text "Rounded" at 114.523,149.689 h1.52
  text "Slot definitions :" at 80.753,147.87 h1.52
  text "Routed Path Length" at 89.606,147.87 h1.52
  text "= Calculated from tool start centre position to tool end centre position." at 100.057,147.87 h1.52
  text "Hole Length" at 89.606,146.83 h1.52
  text "= Routed Path Length + Tool Size = Slot length as defined in the PCB layout" at 96.061,146.83 h1.52

## Dimensions
245,0 to 248,60 on Size
0,130 to 245,130 on Size
245,0 to 245,130 on Size

## Text inside footprints (layer, text, board x,y; h text height)
R51: Top Overlay "CW" at 69.534,112.132 h0.64
X12: Top Overlay "6" at 4.865,56.55 h2 r90; Top Overlay "1" at 14.265,55.415 h2 r90; Top Overlay "9" at 4.865,64.86 h2 r90; Top Overlay "5" at 14.265,66.245 h2 r90